# KiCad board SimulTypeUltra.kicad_pcb (continued)
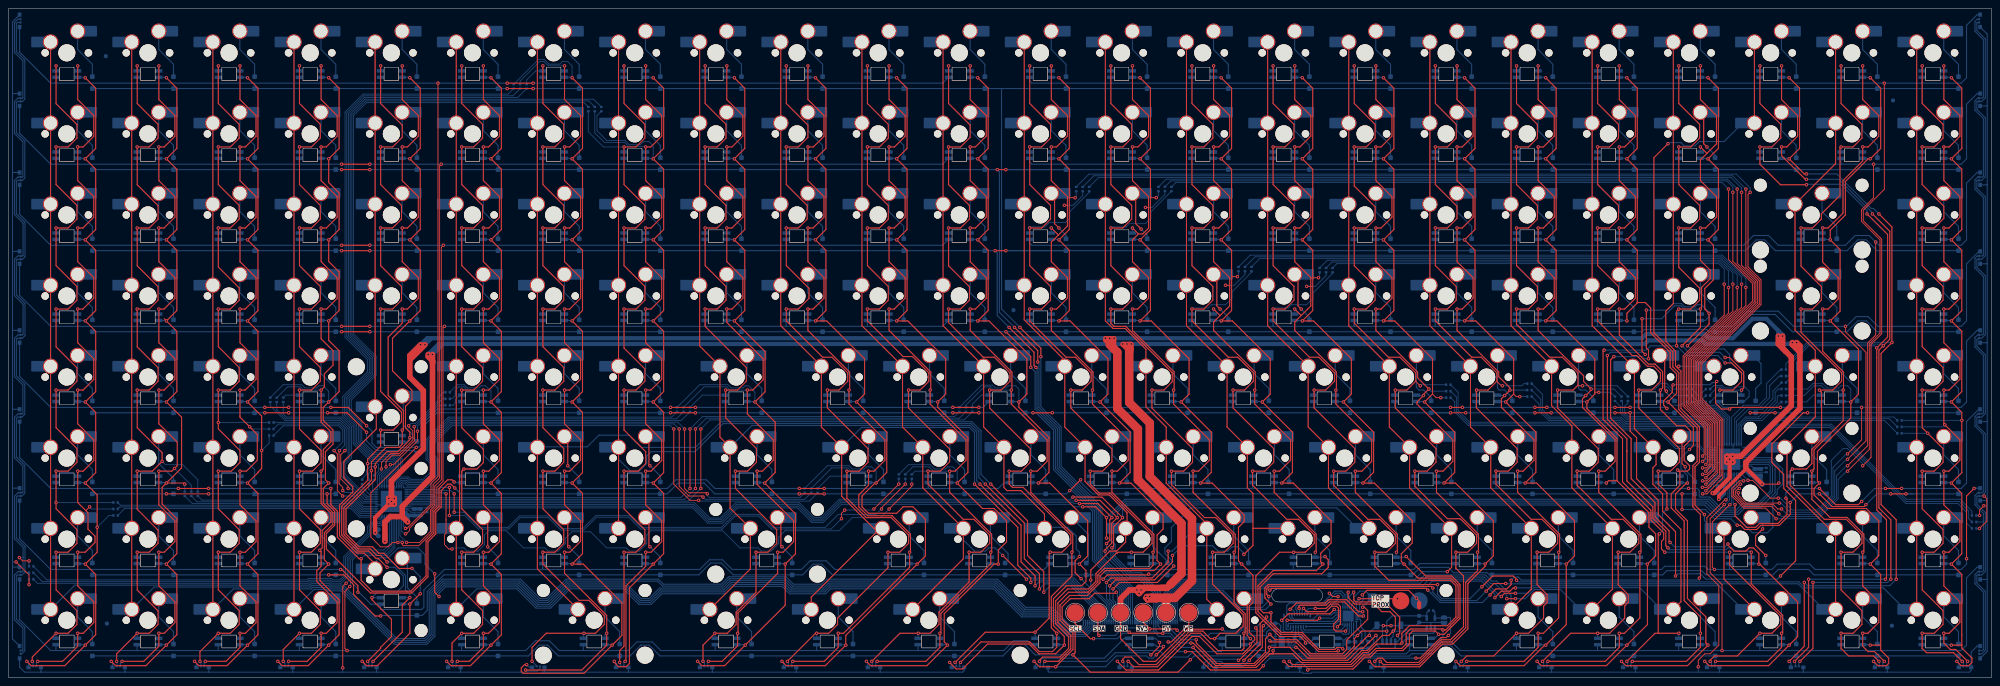
[diagram p0: board, top side]
## Routing (per net, layer and track width the routed paths; a pad name or vN(x,y) marks a point on that pad's centre or on a via; arc(x,y) is an arc through that point) (continued)
SW4_R: length 336.2
  Top w0.2: v1(431.79,51.29) 436.11,55.61 436.11,76.43 431.28,81.26 v1(431.28,82.53) ; v1(416.29,39.6) 415.4,39.6 414.42,40.59 407.8,40.59 405.43,42.96 405.43,43.7 406.16,44.43 v1(406.39,44.43)
  Bottom w0.2: U5.19 405.7,45.12 v1(406.39,44.43) ; v1(416.29,39.6) 417.56,38.33 424.79,38.33 428.78,42.32 428.78,48.53 431.53,51.29 v1(431.79,51.29)
  Bottom w0.25: 258.81,82.53 258.78,82.56 LED85.4 ; 258.81,82.53 240.27,82.53 239.73,83.07 LED84.4 ; 258.81,82.53 277.86,82.53 ; LED86.4 277.83,82.56 277.86,82.53 ; 392.13,83.91 392.13,82.56 392.16,82.53 ; 373.11,82.53 392.16,82.53 ; 373.11,82.53 354.06,82.53 ; 373.11,82.53 373.08,82.56 LED91.4 ; 392.16,82.53 404.86,82.53 408.42,86.09 415.53,86.09 419.09,82.53 420.61,82.53 ; 420.61,82.53 v1(431.28,82.53) 431.53,82.53 433.82,84.82 436.61,84.82 438.9,82.53 449.31,82.53 ; 420.61,82.53 420.71,82.63 LED93.4 ; LED219.4 462.63,100.14 459.73,97.24 459.73,83.8 458.46,82.53 449.31,82.53 ; LED90.4 354.03,82.56 354.06,82.53 ; 354.06,82.53 335.01,82.53 ; 277.86,82.53 296.91,82.53 ; 296.91,82.53 296.88,82.56 LED87.4 ; 296.91,82.53 315.96,82.53 ; 335.01,82.53 315.96,82.53 ; 335.01,82.53 334.98,82.56 LED89.4 ; 315.96,82.53 315.93,82.56 LED88.4 ; 449.31,82.53 449.28,82.56 LED94.4
SW5_L: length 306
  Top w0.2: v1(95.75,54.08) 85.08,43.41 85.08,33 87.36,30.71 89.14,30.71 90.16,31.73 v1(91.43,31.73)
  Top w0.25: v1(60.19,63.48) v1(65.77,63.48) ; v1(75.68,63.48) 79.74,63.48 v1(84.06,59.16) ; v1(221.73,63.48) v1(227.83,63.48) ; v1(155.44,63.48) v1(161.28,63.48)
  Bottom w0.2: v1(91.43,31.73) 91.1,32.05 U4.20
  Bottom w0.25: 211.06,63.48 v1(221.73,63.48) ; 211.06,63.48 211.16,63.58 LED105.4 ; 211.06,63.48 192.01,63.48 ; 49.26,63.48 v1(60.19,63.48) ; 49.26,63.48 30.21,63.48 ; 49.26,63.48 49.23,63.51 LED97.4 ; 30.21,63.48 30.18,63.51 30.18,64.86 ; 30.21,63.48 11.16,63.48 ; 125.46,63.48 125.43,63.51 125.43,64.86 ; 125.46,63.48 106.41,63.48 ; 125.46,63.48 144.51,63.48 ; 68.31,63.48 v1(75.68,63.48) ; 68.31,63.48 68.28,63.51 LED98.4 ; 68.31,63.48 v1(65.77,63.48) ; LED103.4 168.3,63.57 168.39,63.48 ; 87.36,54.08 v1(95.75,54.08) 96.25,54.08 96.89,54.72 96.89,59.29 100.7,63.1 105.97,63.1 106.36,63.48 106.41,63.48 ; 87.36,54.08 86.35,54.08 85.33,55.1 85.33,57.89 v1(84.06,59.16) ; 87.36,54.08 87.33,54.11 LED99.4 ; 106.41,63.48 106.38,63.51 106.38,64.86 ; 144.51,63.48 144.48,63.51 LED102.4 ; 144.51,63.48 v1(155.44,63.48) ; v1(161.28,63.48) 168.39,63.48 ; 168.39,63.48 192.01,63.48 ; 11.13,64.86 11.13,63.51 11.16,63.48 ; 11.16,63.48 9.89,63.48 2.6,70.77 LED185.4 ; v1(227.83,63.48) 228.83,63.48 LED106.4 ; 192.01,63.48 192.11,63.58 LED104.4
SW5_R: length 314
  Top w0.2: v1(431.79,52.56) 435.09,55.86 v1(435.09,63.48) ; v1(406.13,43.41) 406.13,42.83 407.97,40.99 v1(415.79,40.99)
  Top w0.25: v1(377.18,63.48) v1(380.73,63.48) ; v1(390.83,68.75) 390.64,68.56 390.64,67.04 388.61,65 388.61,63.99 v1(389.37,63.23) ; v1(401.05,69.58) 400.8,69.32 400.8,64.5 402.19,63.1 v1(404.1,63.1) 404.48,63.48 v1(416.04,63.48) ; v1(358.38,63.48) v1(361.18,63.48) ; v1(338.57,63.48) v1(341.36,63.48)
  Bottom w0.2: U5.20 405.3,44.36 406.13,43.53 v1(406.13,43.41) ; v1(415.79,40.99) 416.18,40.99 418.33,38.84 424.73,38.84 428.38,42.49 428.38,49.4 431.53,52.56 v1(431.79,52.56)
  Bottom w0.25: 344.41,63.48 v1(358.38,63.48) ; 344.41,63.48 v1(341.36,63.48) ; 344.41,63.48 344.51,63.58 LED112.4 ; LED117.4 449.28,63.51 449.31,63.48 ; LED116.4 425.47,63.52 425.44,63.48 425.95,63.48 ; LED113.4 363.56,63.58 363.46,63.48 ; 363.46,63.48 v1(361.18,63.48) ; 363.46,63.48 v1(377.18,63.48) ; 306.31,63.48 306.41,63.58 LED110.4 ; 306.31,63.48 325.36,63.48 ; 306.31,63.48 287.26,63.48 ; 325.36,63.48 v1(338.57,63.48) ; 325.36,63.48 325.46,63.58 LED111.4 ; 268.21,63.48 249.67,63.48 249.26,63.89 LED107.4 ; 268.21,63.48 287.26,63.48 ; 268.21,63.48 268.31,63.58 LED108.4 ; 287.26,63.48 287.36,63.58 LED109.4 ; v1(416.04,63.48) 425.95,63.48 ; 425.95,63.48 v1(435.09,63.48) 449.31,63.48 ; LED114.4 382.61,63.58 382.51,63.48 ; v1(404.1,63.1) 403.72,63.48 402.58,63.48 401.66,64.4 LED115.4 ; v1(390.83,68.75) 390.89,68.81 399.53,68.81 400.04,69.32 400.8,69.32 v1(401.05,69.58) ; v1(389.37,63.23) 389.12,63.48 382.51,63.48 ; LED218.4 462.23,81.59 459.73,79.09 459.73,64.75 458.46,63.48 449.31,63.48 ; 382.51,63.48 v1(380.73,63.48)
SW6_L: length 316.8
  Top w0.25: v1(185.66,44.43) v1(191.5,44.43) ; v1(39.87,44.43) v1(46.98,44.43) ; v1(75.68,44.43) 75.68,40.62 77.2,39.1 77.2,33 82.28,27.92 v1(82.79,27.92) 82.79,22.84 85.33,20.3 94.48,20.3 98.03,23.86 98.03,32.09 99.87,33.93 99.87,39.01 101.08,40.22 101.08,44.43 103.11,46.46 104.13,46.46 v1(104.64,45.95)
  Bottom w0.2: v1(82.79,27.92) 83.52,28.64 88.9,28.64 90.7,30.44 U4.21
  Bottom w0.25: 196.84,44.43 v1(191.5,44.43) ; 196.84,44.43 215.89,44.43 ; 196.84,44.43 196.87,44.47 LED126.4 ; LED186.4 2.6,51.72 9.89,44.43 11.16,44.43 ; 215.89,44.43 232.4,44.43 233.78,45.81 LED128.4 ; 215.89,44.43 215.92,44.47 LED127.4 ; 30.21,44.43 v1(39.87,44.43) 39.61,44.43 ; 30.21,44.43 11.16,44.43 ; 30.21,44.43 30.18,44.46 30.18,45.81 ; 49.26,44.43 v1(46.98,44.43) ; 49.26,44.43 68.31,44.43 ; 49.26,44.43 49.23,44.46 LED120.4 ; 125.46,44.43 144.51,44.43 ; 125.46,44.43 125.43,44.46 125.43,45.81 ; 125.46,44.43 106.41,44.43 106.38,44.46 106.38,45.81 104.78,45.81 v1(104.64,45.95) ; 144.51,44.43 154.67,44.43 156.71,46.46 163.82,46.46 165.85,44.43 170.68,44.43 ; 144.51,44.43 144.48,44.46 LED124.4 ; 11.16,44.43 11.13,44.46 11.13,45.81 ; 68.31,44.43 68.28,44.46 LED121.4 ; 68.31,44.43 v1(75.68,44.43) ; LED125.4 170.68,44.43 170.68,44.43 ; 170.68,44.43 v1(185.66,44.43)
SW6_R: length 263.3
  Top w0.25: v1(405.37,40.62) 405.37,37.96 408.04,35.29 410.2,35.29 411.12,36.21 415.44,36.21 417.56,38.33 417.56,41.89 v1(417.31,42.14) ; v1(435.09,41.38) 434.33,40.62 428.99,40.62 v1(425.18,44.43) ; v1(440.68,44.43) v1(444.49,44.43)
  Bottom w0.2: v1(405.37,40.62) 404.9,41.09 U5.21
  Bottom w0.25: LED217.4 462.59,63.04 459.73,60.18 459.73,45.7 458.46,44.43 449.31,44.43 ; LED134.4 349.27,44.47 349.24,44.43 ; 273.04,44.43 292.09,44.43 ; 273.04,44.43 273.07,44.47 LED130.4 ; 273.04,44.43 254.74,44.43 254.02,45.15 LED129.4 ; 292.09,44.43 292.12,44.47 LED131.4 ; 292.09,44.43 311.14,44.43 ; 418.33,44.43 v1(425.18,44.43) ; 418.33,44.43 417.31,43.41 v1(417.31,42.14) ; 418.33,44.43 418.33,44.43 LED137.4 ; v1(435.09,41.38) 438.14,44.43 v1(440.68,44.43) ; 387.34,44.43 v1(394.45,44.43) 396.48,44.43 396.99,43.92 396.99,42.65 397.24,42.4 399.47,42.4 402.01,39.86 405.12,39.86 405.37,40.11 v1(405.37,40.62) ; 387.34,44.43 368.29,44.43 ; 387.34,44.43 387.37,44.47 LED136.4 ; 349.24,44.43 330.19,44.43 ; 349.24,44.43 368.29,44.43 ; 311.14,44.43 330.19,44.43 ; 311.14,44.43 311.17,44.47 LED132.4 ; 330.19,44.43 330.22,44.47 LED133.4 ; 449.31,44.43 449.28,44.46 LED138.4 ; 449.31,44.43 v1(444.49,44.43) ; 368.29,44.43 368.32,44.47 LED135.4
SW7_L: length 310.2
  Top w0.25: v1(77.97,25.38) 78.22,25.38 82.03,21.57 v1(82.03,20.05)
  Bottom w0.2: U4.22 90.3,30.61 88.74,29.04 82.19,29.04 80.76,27.61 80.76,22.08 82.03,20.81 v1(82.03,20.05)
  Bottom w0.25: LED148.4 206.4,25.47 206.49,25.38 ; 76.95,25.38 77.2,25.38 ; 76.95,25.38 68.31,25.38 ; 76.95,25.38 v1(77.97,25.38) ; 30.21,25.38 49.26,25.38 ; 30.21,25.38 30.18,25.41 30.18,26.76 ; 30.21,25.38 11.16,25.38 ; 49.26,25.38 68.31,25.38 ; 49.26,25.38 49.23,25.41 LED141.4 ; 68.31,25.38 68.28,25.41 LED142.4 ; 175.5,25.38 186.17,25.38 188.2,27.41 192.01,27.41 194.04,25.38 206.49,25.38 ; 175.5,25.38 175.44,25.44 LED147.4 ; 175.5,25.38 169.91,25.38 167.63,27.67 164.58,27.67 162.29,25.38 144.51,25.38 ; 106.41,25.38 125.46,25.38 ; 106.41,25.38 102.35,25.38 97.52,20.55 97.52,16.49 97.02,15.98 87.36,15.98 87.33,16.01 LED143.4 85.09,17.24 82.54,19.79 82.28,19.79 v1(82.03,20.05) ; 106.41,25.38 106.38,25.41 106.38,26.76 ; 125.46,25.38 125.43,25.41 125.43,26.76 ; 125.46,25.38 144.51,25.38 ; LED149.4 225.45,25.47 225.54,25.38 ; 206.49,25.38 225.54,25.38 ; 144.51,25.38 144.48,25.41 LED146.4 ; 11.13,26.76 11.13,25.41 11.16,25.38 ; 225.54,25.38 243.12,25.38 LED150.4 ; 11.16,25.38 9.89,25.38 2.6,32.67 LED187.4
SW7_R: length 258
  Top w0.2: v1(400.55,25.38) 400.04,25.89 400.04,36.56 404.1,40.62 v1(404.17,40.62)
  Top w0.25: v1(459.73,27.92) 459.73,42.65 v1(461.51,44.43)
  Bottom w0.2: U5.22 404.5,40.96 v1(404.17,40.62)
  Bottom w0.25: LED160.4 449.28,25.41 449.31,25.38 ; 404.1,25.38 v1(400.55,25.38) 399.02,25.38 398.26,26.14 388.86,26.14 388.1,25.38 377.94,25.38 ; 404.1,25.38 404.04,25.44 LED158.4 ; 404.1,25.38 414.01,25.38 415.28,26.65 422.9,26.65 424.17,25.38 430.26,25.38 ; 377.94,25.38 377.85,25.47 LED157.4 ; 377.94,25.38 358.89,25.38 ; v1(461.51,44.43) 461.57,44.49 LED216.4 462.23,44.49 ; 358.89,25.38 358.8,25.47 LED156.4 ; 358.89,25.38 339.84,25.38 339.75,25.47 LED155.4 331.31,26.76 329.93,25.38 320.79,25.38 ; 301.74,25.38 301.65,25.47 LED153.4 ; 301.74,25.38 320.79,25.38 ; 301.74,25.38 282.69,25.38 ; 430.26,25.38 449.31,25.38 ; 430.26,25.38 430.23,25.41 LED159.4 ; 449.31,25.38 458.46,25.38 459.73,26.65 v1(459.73,27.92) ; LED151.4 263.55,25.73 263.89,25.38 282.69,25.38 ; LED152.4 282.6,25.47 282.69,25.38 ; 320.79,25.38 320.7,25.47 LED154.4
SW8_L: length 308.4
  Top w0.2: v1(79.49,6.33) 78.98,6.84 78.98,20.24 v1(80.12,21.38)
  Bottom w0.2: v1(80.12,21.38) 80.33,21.59 80.33,27.74 82.03,29.44 88.38,29.44 89.9,30.97 U4.23
  Bottom w0.25: LED167.4 165.92,6.4 165.85,6.33 ; 165.85,6.33 189.73,6.33 ; 165.85,6.33 153.15,6.33 151.12,8.36 147.56,8.36 145.53,6.33 135.12,6.33 ; 106.41,6.33 121.4,6.33 123.69,8.62 126.99,8.62 129.27,6.33 135.12,6.33 ; 106.41,6.33 v1(79.49,6.33) 68.31,6.33 ; 106.41,6.33 106.38,6.36 106.38,7.71 ; 189.73,6.33 189.73,6.33 LED168.4 ; 189.73,6.33 213.6,6.33 ; 68.31,6.33 68.28,6.36 LED164.4 ; 68.31,6.33 49.26,6.33 ; 135.12,6.33 134.96,6.49 LED166.4 ; LED163.4 49.23,6.36 49.26,6.33 ; 213.6,6.33 213.54,6.39 LED169.4 ; 213.6,6.33 233.67,6.33 235.95,8.62 239.26,8.62 240.16,7.71 LED177.4 ; 49.26,6.33 30.21,6.33 ; 11.16,6.33 11.13,6.36 11.13,7.71 ; 11.16,6.33 9.89,6.33 2.6,13.62 LED188.4 ; 11.16,6.33 30.21,6.33 ; 30.18,7.71 30.18,6.36 30.21,6.33
SW8_R: length 280.1
  Top w0.2: v1(402.32,6.33) 402.32,21.82 399.53,24.62 399.53,37.32 v1(402.83,40.62)
  Bottom w0.2: U5.23 404.1,41.64 403.09,40.62 v1(402.83,40.62)
  Bottom w0.25: LED179.4 306.98,5.66 307.07,5.57 ; 392.16,6.33 v1(402.32,6.33) 411.21,6.33 ; 392.16,6.33 373.11,6.33 ; 392.16,6.33 392.13,6.36 392.13,7.71 ; 284.98,6.33 294.88,6.33 295.64,5.57 307.07,5.57 ; 284.98,6.33 284.98,6.33 LED170.4 ; 284.98,6.33 284.72,6.08 278.12,6.08 276.85,4.81 271.77,4.81 270.24,6.33 263.39,6.33 262.98,6.74 LED178.4 ; 430.26,6.33 430.23,6.36 LED175.4 ; 430.26,6.33 449.31,6.33 ; 430.26,6.33 411.21,6.33 ; 354.06,6.33 373.11,6.33 ; 354.06,6.33 354.03,6.36 LED171.4 ; 354.06,6.33 340.86,6.33 338.82,8.36 336.33,8.36 334.3,6.33 328.92,6.33 ; LED215.4 462.23,25.94 459.73,23.44 459.73,7.6 458.46,6.33 449.31,6.33 ; 449.31,6.33 449.28,6.36 LED176.4 ; 373.11,6.33 373.08,6.36 LED172.4 ; 307.07,5.57 328.16,5.57 328.92,6.33 ; 328.92,6.33 328.98,6.39 LED180.4 ; 411.21,6.33 411.18,6.36 LED174.4
SW9_L: length 283
  Top w0.2: v1(79.26,22.15) 78.47,21.36 v1(78.47,2.27)
  Bottom w0.2: v1(79.26,22.15) 79.93,22.82 79.93,27.93 81.95,29.95 88.13,29.95 89.5,31.33 U4.24 ; v1(78.47,2.27) 78.47,1.25
  Bottom w0.25: LED199.4 184.95,1.3 184.9,1.25 ; 106.16,1.25 86.35,1.25 ; 106.16,1.25 120.38,1.25 120.64,1 124.96,1 125.21,1.25 125.72,1.25 ; 106.16,1.25 106.14,1.28 LED195.4 ; 86.35,1.25 66.79,1.25 ; 86.35,1.25 86.43,1.33 LED194.4 ; 184.9,1.25 165.34,1.25 ; 184.9,1.25 204.71,1.25 ; 165.34,1.25 165.25,1.34 LED198.4 ; 165.34,1.25 145.53,1.25 ; 125.72,1.25 125.84,1.37 LED196.4 ; 125.72,1.25 145.53,1.25 ; LED189.4 2.6,2.45 3.8,1.25 7.61,1.25 ; 7.61,1.25 7.61,1.26 LED190.4 ; 7.61,1.25 27.42,1.25 ; 46.98,1.25 47.02,1.3 LED192.4 ; 46.98,1.25 66.79,1.25 ; 46.98,1.25 27.42,1.25 ; 27.42,1.25 27.32,1.35 LED191.4 ; 204.71,1.25 224.02,1.25 224.36,1.6 LED201.4 ; 204.71,1.25 204.66,1.31 LED200.4 ; 145.53,1.25 145.54,1.27 LED197.4 ; 66.79,1.25 66.73,1.31 LED193.4
SW9_R: length 289.4
  Top w0.2: v1(396.74,2.52) 396.74,4.04 398.26,5.57 399.53,5.57 401.56,7.6 401.56,21.57 398.77,24.36 398.77,37.57 402.95,41.75 v1(403.23,41.75)
  Bottom w0.2: v1(396.74,2.52) 396.74,1.25 ; v1(403.23,41.75) 403.7,42.23 U5.24
  Bottom w0.25: 283.45,1.25 303.26,1.25 ; 283.45,1.25 263.89,1.25 ; 283.45,1.25 283.47,1.27 LED204.4 ; 303.26,1.25 303.77,1.25 304.03,1 305.8,1 306.06,1.25 322.82,1.25 ; 303.26,1.25 303.18,1.34 LED205.4 ; 382,1.25 381.99,1.26 LED209.4 ; 382,1.25 362.19,1.25 ; 382,1.25 401.82,1.25 ; 401.82,1.25 401.7,1.37 LED210.4 ; 401.82,1.25 421.37,1.25 ; LED212.4 441.11,1.33 441.19,1.25 ; 421.37,1.25 421.4,1.28 LED211.4 ; 421.37,1.25 441.19,1.25 ; 263.89,1.25 244.34,1.25 244.06,1.52 LED202.4 ; 263.89,1.25 263.77,1.38 LED203.4 ; 322.82,1.25 322.88,1.31 LED206.4 ; 322.82,1.25 342.63,1.25 ; 362.19,1.25 342.63,1.25 ; 362.19,1.25 362.29,1.35 LED208.4 ; 342.63,1.25 342.59,1.3 LED207.4 ; LED214.4 462.23,7.39 460.81,5.98 LED213.4 460.81,1.64 460.42,1.25 441.19,1.25
Net-(D1-A): length 12.1
  Bottom w0.25: SW1.2 16.22,147.58 19.68,144.12 D1.2
Net-(D2-A): length 12.1
  Bottom w0.25: SW2.2 35.27,147.58 38.73,144.12 D2.2
Net-(D3-A): length 12.1
  Bottom w0.25: SW3.2 54.32,147.58 57.78,144.12 D3.2
Net-(D4-A): length 12.1
  Bottom w0.25: D4.2 76.83,144.12 73.37,147.58 SW4.2
Net-(D5-A): length 12.1
  Bottom w0.25: D5.2 95.88,144.12 92.42,147.58 SW5.2
Net-(D6-A): length 12.1
  Bottom w0.25: SW6.2 111.47,147.57 114.93,144.11 D6.2
Net-(D7-A): length 12.1
  Bottom w0.25: SW7.2 130.52,147.58 133.98,144.12 D7.2
Net-(D8-A): length 12.1
  Bottom w0.25: D8.2 153.03,144.12 149.57,147.58 SW8.2
Net-(D9-A): length 12.1
  Bottom w0.25: D9.2 172.08,144.12 168.62,147.58 SW9.2
Net-(D10-A): length 12.1
  Bottom w0.25: D10.2 191.13,144.12 187.67,147.58 SW10.2
Net-(D11-A): length 12.1
  Bottom w0.25: D11.2 210.18,144.12 206.72,147.58 SW11.2
Net-(D12-A): length 12.1
  Bottom w0.25: D12.2 229.23,144.12 225.77,147.58 225.77,151.89
Net-(D13-A): length 12.1
  Bottom w0.25: SW13.2 244.82,147.58 248.28,144.12 D13.2
Net-(D14-A): length 12.1
  Bottom w0.25: SW14.2 263.87,147.58 267.33,144.12 D14.2
Net-(D15-A): length 12.1
  Bottom w0.25: 282.92,151.89 282.92,147.58 286.38,144.12 D15.2
Net-(D16-A): length 12.1
  Bottom w0.25: D16.2 305.43,144.12 301.97,147.58 SW16.2
Net-(D17-A): length 12.1
  Bottom w0.25: D17.2 324.48,144.12 321.02,147.58 SW17.2
Net-(D18-A): length 12.1
  Bottom w0.25: D18.2 343.53,144.12 340.07,147.58 SW18.2
Net-(D19-A): length 12.1
  Bottom w0.25: 359.12,151.89 359.12,147.58 362.58,144.12 D19.2
Net-(D20-A): length 12.1
  Bottom w0.25: D20.2 381.63,144.12 378.17,147.58 SW20.2
Net-(D21-A): length 12.1
  Bottom w0.25: SW21.2 397.22,147.58 400.68,144.12 D21.2
Net-(D22-A): length 12.1
  Bottom w0.25: SW22.2 416.27,147.58 419.73,144.12 D22.2
Net-(D23-A): length 12.1
  Bottom w0.25: D23.2 438.78,144.12 435.32,147.58 SW23.2
Net-(D24-A): length 12.1
  Bottom w0.25: D24.2 457.83,144.12 454.37,147.58 SW24.2
Net-(D25-A): length 12.1
  Bottom w0.25: SW25.2 16.22,128.53 19.68,125.07 D25.2
Net-(D26-A): length 12.1
  Bottom w0.25: SW26.2 35.27,128.53 38.73,125.07 D26.2
Net-(D27-A): length 12.1
  Bottom w0.25: D27.2 57.78,125.07 54.32,128.53 SW27.2
Net-(D28-A): length 12.1
  Bottom w0.25: D28.2 76.83,125.07 73.37,128.53 SW28.2
Net-(D29-A): length 12.1
  Bottom w0.25: SW29.2 92.42,128.53 95.88,125.07 D29.2
Net-(D30-A): length 12.1
  Bottom w0.25: SW30.2 111.47,128.53 114.93,125.07 D30.2
Net-(D31-A): length 12.1
  Bottom w0.25: D31.2 133.98,125.07 130.52,128.53 SW31.2
Net-(D32-A): length 12.1
  Bottom w0.25: D32.2 153.03,125.07 149.57,128.53 SW32.2
Net-(D33-A): length 12.1
  Bottom w0.25: SW33.2 168.62,128.53 172.08,125.07 D33.2
Net-(D34-A): length 12.1
  Bottom w0.25: D34.2 191.13,125.07 187.67,128.53 SW34.2
Net-(D35-A): length 12.1
  Bottom w0.25: SW35.2 206.72,128.53 210.18,125.07 D35.2
Net-(D36-A): length 12.1
  Bottom w0.25: D36.2 229.23,125.07 225.77,128.53 225.77,132.84
Net-(D37-A): length 12.1
  Bottom w0.25: D37.2 248.28,125.07 244.82,128.53 SW37.2
Net-(D38-A): length 12.1
  Bottom w0.25: D38.2 267.33,125.07 263.87,128.53 SW38.2
Net-(D39-A): length 12.1
  Bottom w0.25: D39.2 286.38,125.07 282.92,128.53 282.92,132.84
Net-(D40-A): length 12.1
  Bottom w0.25: SW40.2 301.97,128.53 305.43,125.07 D40.2
Net-(D41-A): length 12.1
  Bottom w0.25: D41.2 324.48,125.07 321.02,128.53 SW41.2
Net-(D42-A): length 12.1
  Bottom w0.25: SW42.2 340.07,128.53 343.53,125.07 D42.2
Net-(D43-A): length 12.1
  Bottom w0.25: 359.12,132.84 359.12,128.53 362.58,125.07 D43.2
Net-(D44-A): length 12.1
  Bottom w0.25: SW44.2 378.17,128.53 381.63,125.07 D44.2
Net-(D45-A): length 12.1
  Top w0.25: v1(398.77,124.69) 398.01,125.46 398.01,132.06 SW45.2
  Bottom w0.25: D45.2 400.68,122.78 v1(398.77,124.69)
Net-(D46-A): length 12.1
  Bottom w0.25: D46.2 419.73,125.07 416.27,128.53 SW46.2
Net-(D47-A): length 12.1
  Bottom w0.25: SW47.2 435.32,128.53 438.78,125.07 D47.2
Net-(D48-A): length 12.1
  Bottom w0.25: D48.2 457.83,125.07 454.37,128.53 SW48.2
Net-(D49-A): length 12.1
  Bottom w0.25: D49.2 19.68,106.02 16.22,109.48 SW49.2
Net-(D50-A): length 12.1
  Bottom w0.25: SW50.2 35.27,109.47 38.73,106.01 D50.2
Net-(D51-A): length 12.1
  Bottom w0.25: SW51.2 54.32,109.48 57.78,106.02 D51.2
Net-(D52-A): length 12.1
  Bottom w0.25: D52.2 76.83,106.02 73.37,109.48 SW52.2
Net-(D53-A): length 12.1
  Bottom w0.25: SW53.2 92.42,109.48 95.88,106.02 D53.2
Net-(D54-A): length 12.1
  Bottom w0.25: SW54.2 111.47,109.48 114.93,106.02 D54.2
Net-(D55-A): length 12.1
  Bottom w0.25: D55.2 133.98,106.02 130.52,109.48 SW55.2
Net-(D56-A): length 12.1
  Bottom w0.25: D56.2 153.03,106.02 149.57,109.48 SW56.2
Net-(D57-A): length 12.1
  Bottom w0.25: D57.2 172.08,106.02 168.62,109.48 SW57.2
Net-(D58-A): length 12.1
  Bottom w0.25: D58.2 191.13,106.02 187.67,109.48 SW58.2
Net-(D59-A): length 12.1
  Bottom w0.25: SW59.2 206.72,109.48 210.18,106.02 D59.2
Net-(D60-A): length 12.1
  Bottom w0.25: 225.77,113.79 225.77,109.48 229.23,106.02 D60.2
Net-(D61-A): length 12.1
  Top w0.25: v1(246.62,105.64) 245.61,106.66 245.61,113.01 SW61.2
  Bottom w0.25: v1(246.62,105.64) 248.28,103.98 D61.2
Net-(D62-A): length 12.1
  Top w0.25: SW62.2 264.66,113.01 264.66,106.66 v1(265.93,105.39)
  Bottom w0.25: D62.2 267.33,103.98 v1(265.93,105.39)
Net-(D63-A): length 12.1
  Bottom w0.25: 282.92,113.79 282.92,109.48 286.38,106.02 D63.2
Net-(D64-A): length 12.1
  Bottom w0.25: D64.2 305.43,106.02 301.97,109.48 SW64.2
Net-(D65-A): length 12.1
  Bottom w0.25: SW65.2 321.02,109.48 324.48,106.02 D65.2
Net-(D66-A): length 12.1
  Bottom w0.25: D66.2 343.53,106.02 340.07,109.48 SW66.2
Net-(D67-A): length 12.1
  Bottom w0.25: D67.2 362.58,106.02 359.12,109.48 359.12,113.79
Net-(D68-A): length 12.1
  Bottom w0.25: D68.2 381.63,106.02 378.17,109.48 SW68.2
Net-(D69-A): length 12.1
  Bottom w0.25: D69.2 400.68,106.02 397.22,109.48 SW69.2
Net-(D70-A): length 12.1
  Bottom w0.25: D70.2 429.26,106.02 425.8,109.48 SW70.2
Net-(D71-A): length 12.1
  Bottom w0.25: D71.2 457.83,106.02 454.37,109.48 SW71.2
Net-(D72-A): length 12.1
  Bottom w0.25: SW72.2 16.22,90.43 19.68,86.97 19.68,84.06
Net-(D73-A): length 12.1
  Bottom w0.25: SW73.2 35.27,90.43 38.73,86.97 38.73,84.06
Net-(D74-A): length 12.1
  Bottom w0.25: 57.78,84.06 57.78,86.97 54.32,90.43 SW74.2
Net-(D75-A): length 12.1
  Bottom w0.25: SW75.2 73.37,90.43 76.83,86.97 76.83,84.06
Net-(D76-A): length 12.1
  Bottom w0.25: 95.88,84.06 95.88,86.97 92.42,90.43 SW76.2
Net-(D77-A): length 12.1
  Bottom w0.25: 114.93,84.06 114.93,86.97 111.47,90.43 SW77.2
Net-(D78-A): length 12.1
  Bottom w0.25: SW78.2 130.52,90.42 133.98,86.96 133.98,84.06
Net-(D79-A): length 12.1
  Bottom w0.25: 153.03,84.06 153.03,86.97 149.57,90.43 SW79.2
Net-(D80-A): length 12.1
  Bottom w0.25: 172.08,84.06 172.08,86.97 168.62,90.43 SW80.2
Net-(D81-A): length 12.1
  Bottom w0.25: SW81.2 187.67,90.43 191.13,86.97 191.13,84.06
Net-(D82-A): length 12.1
  Bottom w0.25: 210.18,84.06 210.18,86.97 206.72,90.43 SW82.2
Net-(D83-A): length 12.1
  Bottom w0.25: 225.77,94.74 225.77,90.43 229.23,86.97 229.23,84.06
Net-(D84-A): length 12.1
  Bottom w0.25: 248.28,84.06 248.28,86.97 244.82,90.43 SW84.2
Net-(D85-A): length 12.1
  Bottom w0.25: SW85.2 263.87,90.43 267.33,86.97 267.33,84.06
Net-(D86-A): length 12.1
  Top w0.25: v1(284.47,86.59) 283.71,87.36 283.71,93.96 282.92,94.74
  Bottom w0.25: v1(284.47,86.59) 286.38,84.68 286.38,84.06
Net-(D87-A): length 12.1
  Top w0.25: SW87.2 302.76,93.96 302.76,87.36 v1(303.52,86.59)
  Bottom w0.25: 305.43,84.06 305.43,84.68 v1(303.52,86.59)
Net-(D88-A): length 12.1
  Bottom w0.25: 324.48,84.06 324.48,86.97 321.02,90.43 SW88.2
Net-(D89-A): length 12.1
  Bottom w0.25: 343.53,84.06 343.53,86.97 340.07,90.43 SW89.2
Net-(D90-A): length 12.1
  Bottom w0.25: 362.58,84.06 362.58,86.97 359.12,90.43 359.12,94.74
Net-(D91-A): length 12.1
  Bottom w0.25: SW91.2 378.17,90.43 381.63,86.97 381.63,84.06
Net-(D92-A): length 12.1
  Bottom w0.25: 400.68,84.06 400.68,86.97 397.22,90.43 SW92.2
Net-(D93-A): length 12.1
  Bottom w0.25: SW93.2 425.8,90.43 429.26,86.97 429.26,84.06
Net-(D94-A): length 12.1
  Bottom w0.25: SW94.2 454.37,90.43 457.83,86.97 457.83,84.06
Net-(D95-A): length 12.1
  Bottom w0.25: SW95.2 16.22,71.38 19.68,67.92 D95.2
Net-(D96-A): length 12.1
  Bottom w0.25: D96.2 38.73,67.91 35.27,71.37 SW96.2
Net-(D97-A): length 12.1
  Bottom w0.25: SW97.2 54.32,71.38 57.78,67.92 D97.2
Net-(D98-A): length 12.1
  Bottom w0.25: SW98.2 73.37,71.38 76.83,67.92 D98.2
Net-(D99-A): length 12.1
  Bottom w0.25: SW99.2 92.7,65.89 92.7,59.29 94.95,57.05 94.95,56.42 D99.2
Net-(D100-A): length 12.1
  Bottom w0.25: SW100.2 111.47,71.38 114.93,67.92 D100.2
Net-(D101-A): length 12.1
  Bottom w0.25: SW101.2 130.52,71.38 133.98,67.92 D101.2
Net-(D102-A): length 12.1
  Bottom w0.25: D102.2 153.03,67.92 149.57,71.38 SW102.2
Net-(D103-A): length 12.1
  Bottom w0.25: D103.2 176.85,67.92 173.39,71.38 SW103.2
Net-(D104-A): length 12.1
  Bottom w0.25: D104.2 200.66,67.92 197.2,71.38 SW104.2
Net-(D105-A): length 12.1
  Bottom w0.25: D105.2 219.71,67.92 216.25,71.38 SW105.2
Net-(D106-A): length 12.1
  Bottom w0.25: D106.2 238.76,67.92 235.3,71.38 SW106.2
Net-(D107-A): length 12.1
  Bottom w0.25: D107.2 257.81,67.79 254.35,71.25 SW107.2
Net-(D108-A): length 12.1
  Bottom w0.25: D108.2 276.86,67.92 273.4,71.38 SW108.2
Net-(D109-A): length 12.1
  Bottom w0.25: SW109.2 292.45,71.38 295.91,67.92 D109.2
Net-(D110-A): length 12.1
  Bottom w0.25: D110.2 314.96,67.92 311.5,71.38 SW110.2
Net-(D111-A): length 12.7
  Bottom w0.25: SW111.2 330.55,68.2 331.2,67.54 332.29,67.54 334.01,65.82 D111.2
Net-(D112-A): length 12.9
  Bottom w0.25: D112.2 353.06,65.75 351.27,67.54 350,67.54 349.6,67.94 SW112.2
Net-(D113-A): length 12.9
  Bottom w0.25: SW113.2 368.65,67.94 369.05,67.54 370.32,67.54 372.11,65.75 D113.2
Net-(D114-A): length 13.8
  Top w0.25: SW114.2 388.86,74.53 388.86,67.67 v1(389.24,67.29)
  Bottom w0.25: SW114.2 388.86,74.53 ; v1(389.24,67.29) 389.24,66.93 D114.2
Net-(D115-A): length 12
  Bottom w0.25: SW115.2 411.47,73.75 411.47,69.18 410.21,67.92 D115.2
Net-(D116-A): length 12.1
  Bottom w0.25: SW116.2 430.56,71.38 434.02,67.92 D116.2
Net-(D117-A): length 12.1
  Bottom w0.25: SW117.2 454.37,71.38 457.83,67.92 D117.2
Net-(D118-A): length 12.1
  Bottom w0.25: D118.2 19.68,48.87 16.22,52.33 SW118.2
Net-(D119-A): length 12.1
  Bottom w0.25: D119.2 38.73,46.83 35.27,50.29 SW119.2
Net-(D120-A): length 12.1
  Bottom w0.25: SW120.2 54.32,52.33 57.78,48.87 D120.2
Net-(D121-A): length 12.1
  Bottom w0.25: D121.2 76.83,48.87 73.37,52.33 SW121.2
Net-(D122-A): length 12.1
  Bottom w0.25: SW122.2 111.47,52.33 114.93,48.87 D122.2
Net-(D123-A): length 12.1
  Top w0.2: 131.31,55.86 SW123.2
  Top w0.25: v1(131.31,49.76) 131.31,55.86
  Bottom w0.25: v1(131.31,49.76) 133.98,47.09 D123.2
Net-(D124-A): length 12.1
  Top w0.25: SW124.2 150.36,55.86 150.36,50.02 v1(150.61,49.76)
  Bottom w0.25: v1(150.61,49.76) 153.03,47.34 D124.2
Net-(D125-A): length 12.1
  Bottom w0.25: SW125.2 175.77,52.33 179.23,48.87 D125.2
Net-(D126-A): length 12.1
  Bottom w0.25: SW126.2 201.96,52.33 205.42,48.87 D126.2
Net-(D127-A): length 12.1
  Bottom w0.25: SW127.2 221.01,52.33 224.47,48.87 D127.2
Net-(D128-A): length 12.1
  Bottom w0.25: D128.2 243.52,48.87 240.06,52.33 SW128.2
Net-(D129-A): length 12.1
  Bottom w0.25: D129.2 262.57,48.87 259.11,52.33 SW129.2
Net-(D130-A): length 12.1
  Bottom w0.25: SW130.2 278.16,52.33 281.62,48.87 D130.2
Net-(D131-A): length 12.1
  Bottom w0.25: SW131.2 297.21,52.33 300.67,48.87 D131.2
Net-(D132-A): length 12.1
  Bottom w0.25: D132.2 319.72,48.87 316.26,52.33 SW132.2
Net-(D133-A): length 12.1
  Bottom w0.25: SW133.2 335.31,52.33 338.77,48.87 D133.2
Net-(D134-A): length 12.1
  Bottom w0.25: SW134.2 354.36,52.26 357.82,48.8 D134.2
Net-(D135-A): length 12.1
  Bottom w0.25: D135.2 376.87,48.87 373.41,52.33 SW135.2
Net-(D136-A): length 12.1
  Top w0.25: v1(393.69,49.51) 392.93,50.27 392.93,56.18 SW136.2
  Bottom w0.25: v1(393.69,49.51) 393.69,48.75 395.92,46.51 D136.2
Net-(D137-A): length 12.1
  Bottom w0.25: D137.2 426.88,48.87 423.42,52.33 SW137.2
Net-(D138-A): length 12.1
  Bottom w0.25: D138.2 457.83,48.87 454.37,52.33 SW138.2
Net-(D139-A): length 12.1
  Bottom w0.25: D139.2 19.68,29.82 16.22,33.28 SW139.2
Net-(D140-A): length 12.1
  Bottom w0.25: D140.2 38.73,29.82 35.27,33.28 SW140.2
Net-(D141-A): length 12.1
  Bottom w0.25: SW141.2 54.32,33.28 57.78,29.82 D141.2
Net-(D142-A): length 12.1
  Bottom w0.25: D142.2 76.83,29.82 73.37,33.28 SW142.2
Net-(D143-A): length 12.1
  Bottom w0.25: SW143.2 93.66,26.84 93.66,21.12 95.88,18.89 D143.2
Net-(D144-A): length 12.1
  Top w0.25: SW144.2 112.51,36.56 v1(112.51,30.71)
  Bottom w0.25: v1(112.51,30.71) 114.93,28.29 D144.2
Net-(D145-A): length 12.1
  Top w0.25: SW145.2 131.31,36.81 131.31,30.97 v1(131.56,30.71)
  Bottom w0.25: v1(131.56,30.71) 133.98,28.29 D145.2
Net-(D146-A): length 12.1
  Top w0.25: SW146.2 150.36,36.81 150.36,30.97 v1(150.61,30.71)
  Bottom w0.25: v1(150.61,30.71) 153.03,28.29 D146.2
Net-(D147-A): length 12.1
  Top w0.25: v1(181.6,30.71) 181.34,30.97 181.34,36.78 SW147.2
  Bottom w0.25: D147.2 183.99,28.32 v1(181.6,30.71)
Net-(D148-A): length 12.1
  Bottom w0.25: D148.2 214.95,29.82 211.49,33.28 SW148.2
Net-(D149-A): length 12.7
  Bottom w0.25: D149.2 234.68,27.6 234.68,29.14 230.54,33.28 SW149.2
Net-(D150-A): length 12.5
  Bottom w0.25: SW150.2 253.48,33.7 253.48,27.34 D150.2
Net-(D151-A): length 12.1
  Bottom w0.25: SW151.2 268.64,30.8 272.1,27.34 D151.2
Net-(D152-A): length 12.1
  Bottom w0.25: SW152.2 287.69,33.28 291.15,29.82 D152.2
Net-(D153-A): length 12.1
  Bottom w0.25: SW153.2 306.74,33.28 310.2,29.82 D153.2
Net-(D154-A): length 12.1
  Bottom w0.25: D154.2 329.25,29.82 325.79,33.28 SW154.2
Net-(D155-A): length 12.1
  Bottom w0.25: D155.2 348.3,29.82 344.84,33.28 SW155.2
Net-(D156-A): length 12.1
  Bottom w0.25: SW156.2 363.89,33.28 367.35,29.82 D156.2
Net-(D157-A): length 12.1
  Bottom w0.25: D157.2 386.4,29.82 382.94,33.28 SW157.2
Net-(D158-A): length 12.4
  Top w0.25: v1(412.59,28.68) 410.2,31.08 410.2,33.25 v1(411.85,34.91)
  Bottom w0.25: v1(411.85,34.91) 411.91,34.97 SW158.2 411.93,37.57 ; v1(412.59,28.68) D158.2
Net-(D159-A): length 12.1
  Bottom w0.25: SW159.2 435.32,33.28 438.78,29.82 D159.2
Net-(D160-A): length 12.1
  Bottom w0.25: D160.2 457.83,29.82 454.37,33.28 SW160.2
Net-(D161-A): length 12.1
  Bottom w0.25: SW161.2 16.22,14.23 19.68,10.77 D161.2
Net-(D162-A): length 12.1
  Bottom w0.25: D162.2 38.73,10.77 35.27,14.23 SW162.2
Net-(D163-A): length 12.1
  Bottom w0.25: SW163.2 54.32,14.23 57.78,10.77 D163.2
Net-(D164-A): length 12.1
  Bottom w0.25: D164.2 76.83,10.77 73.37,14.23 SW164.2
Net-(D165-A): length 12.1
  Bottom w0.25: SW165.2 111.47,14.23 114.93,10.77 D165.2
Net-(D166-A): length 12.1
  Bottom w0.25: D166.2 143.51,10.77 140.05,14.23 SW166.2
Net-(D167-A): length 12.1
  Bottom w0.25: SW167.2 171.01,14.23 174.47,10.77 D167.2
Net-(D168-A): length 12.1
  Bottom w0.25: SW168.2 194.82,14.23 198.28,10.77 D168.2
Net-(D169-A): length 12.1
  Bottom w0.25: SW169.2 218.63,14.23 222.09,10.77 D169.2
Net-(D170-A): length 12.5
  Top w0.25: SW170.2 290.82,17.79 290.82,9.89 v1(291.58,9.12)
  Bottom w0.25: D170.2 292.84,7.86 v1(291.58,9.12)
Net-(D171-A): length 12.1
  Bottom w0.25: D171.2 362.58,10.77 359.12,14.23 359.12,18.54
Net-(D172-A): length 12.1
  Bottom w0.25: SW172.2 378.17,14.23 381.63,10.77 D172.2
Net-(D173-A): length 12.1
  Bottom w0.25: D173.2 400.68,10.77 397.22,14.23 SW173.2
Net-(D174-A): length 12.1
  Bottom w0.25: D174.2 419.73,10.77 416.27,14.23 SW174.2
Net-(D175-A): length 12.1
  Bottom w0.25: D175.2 438.78,10.77 435.32,14.23 SW175.2
Net-(D176-A): length 12.1
  Bottom w0.25: SW176.2 454.37,14.23 457.83,10.77 D176.2
Net-(U2-CMOD): length 6.9
  Bottom w0.25: C1.1 318.5,9.14 318.5,10.9 317.49,11.92 317.49,13.44 317.22,13.71 U2.5
Net-(U2-VCC): length 5.4
  Bottom w0.25: C5.2 317.74,10.39 316.49,11.65 U2.6

## Copper pours and planes (outline as drawn; the poured copper is in the pictures)
+5V on Bottom: 268.54,12.49 268.54,19.51 267.36,20.68 266.25,20.69 266.24,12.49
GND on Bottom: 264.24,12.48 266.24,12.49 266.18,22.08 264.15,22.08 264.09,12.48
(no net) on Top, Bottom: -12.2,362.69 457.7,362.69 457.7,202.67 -12.2,202.67

## Text on the board
B.Silkscreen: INT | BOT / PROX | WP
F.Silkscreen: SCL | SDA | GND | 3V3 | 5V | WP | TOP / PROX
